# Altium PCB 202101904XB(公开).PcbDoc (part 1 of 6) (continued)
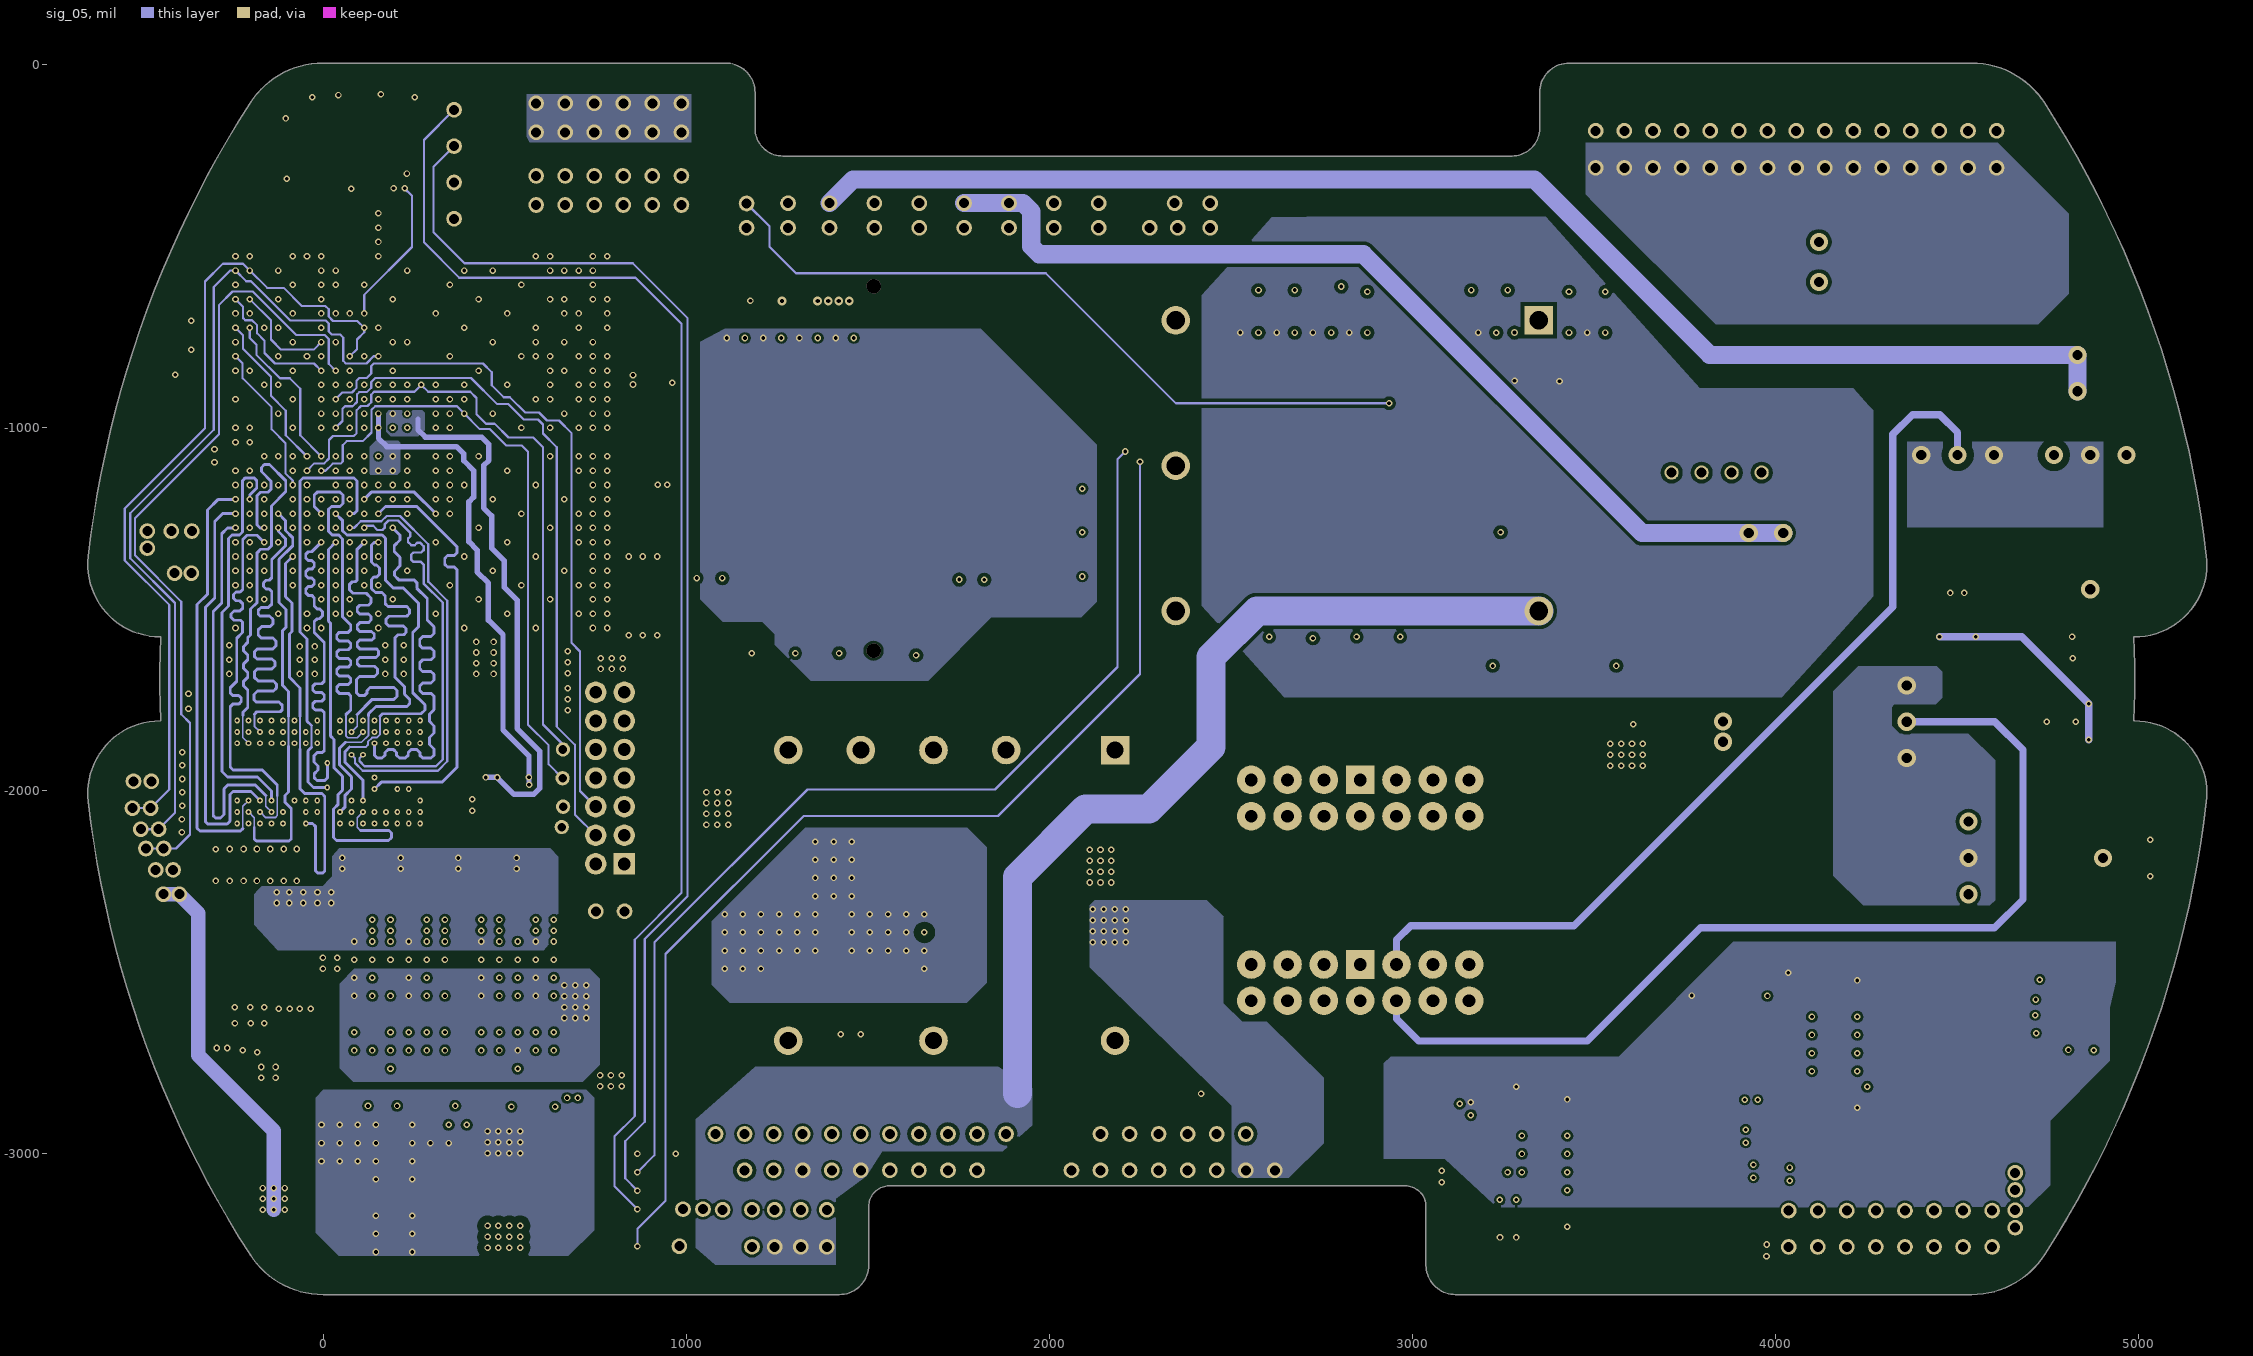
[diagram p5: sig_05]
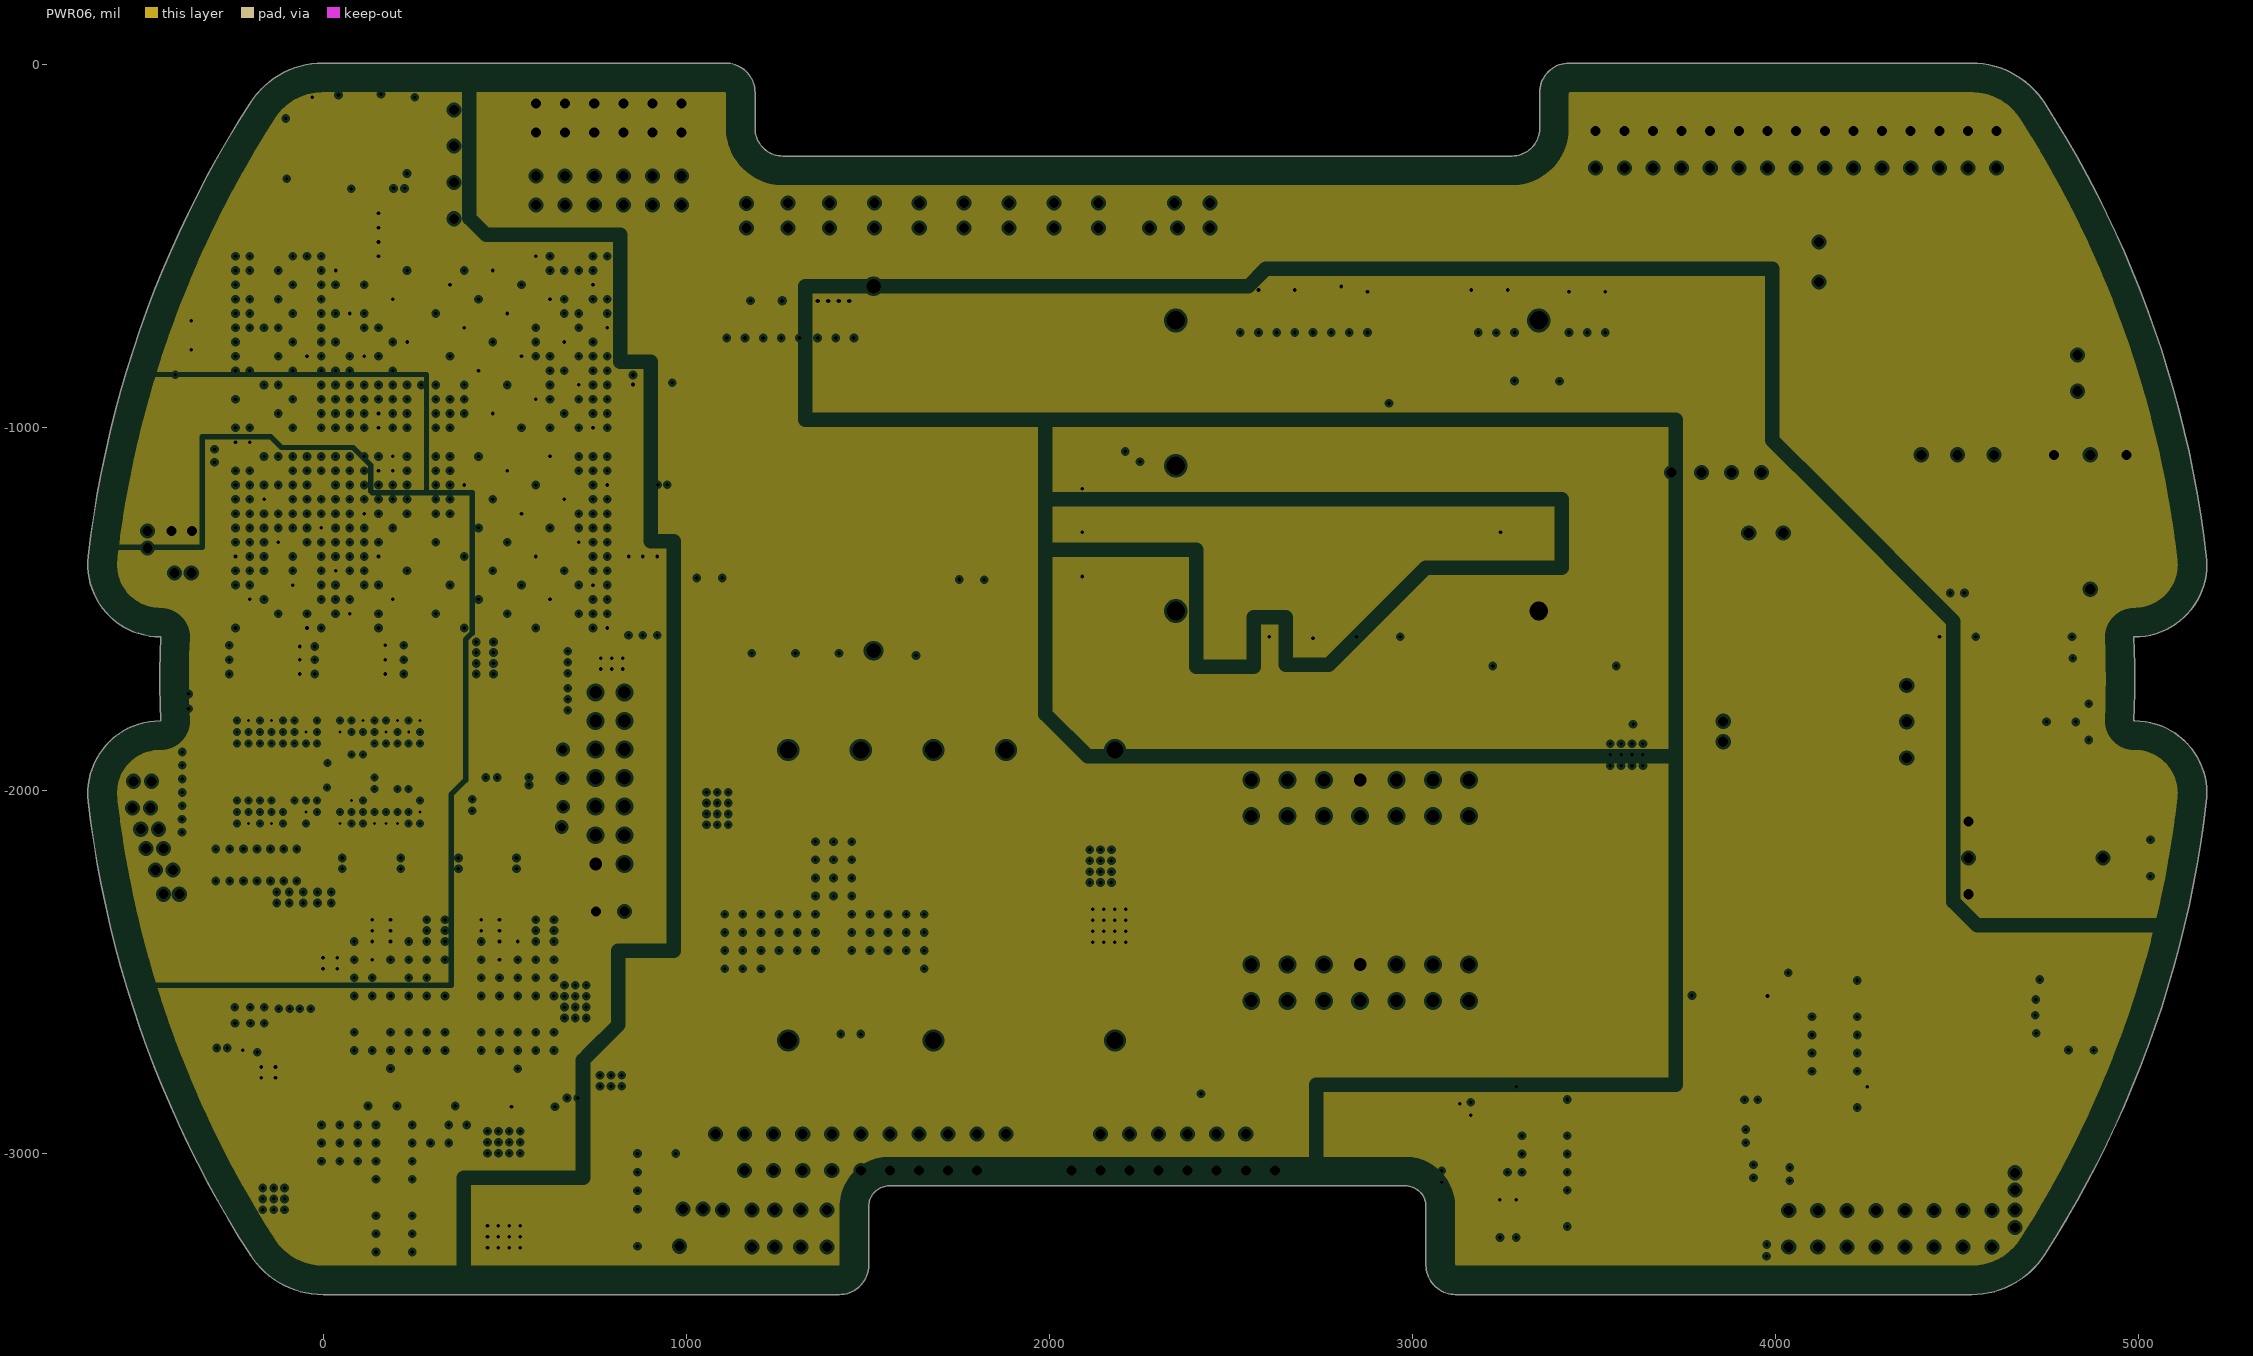
[diagram p6: PWR06, clearances drawn from the general rule]
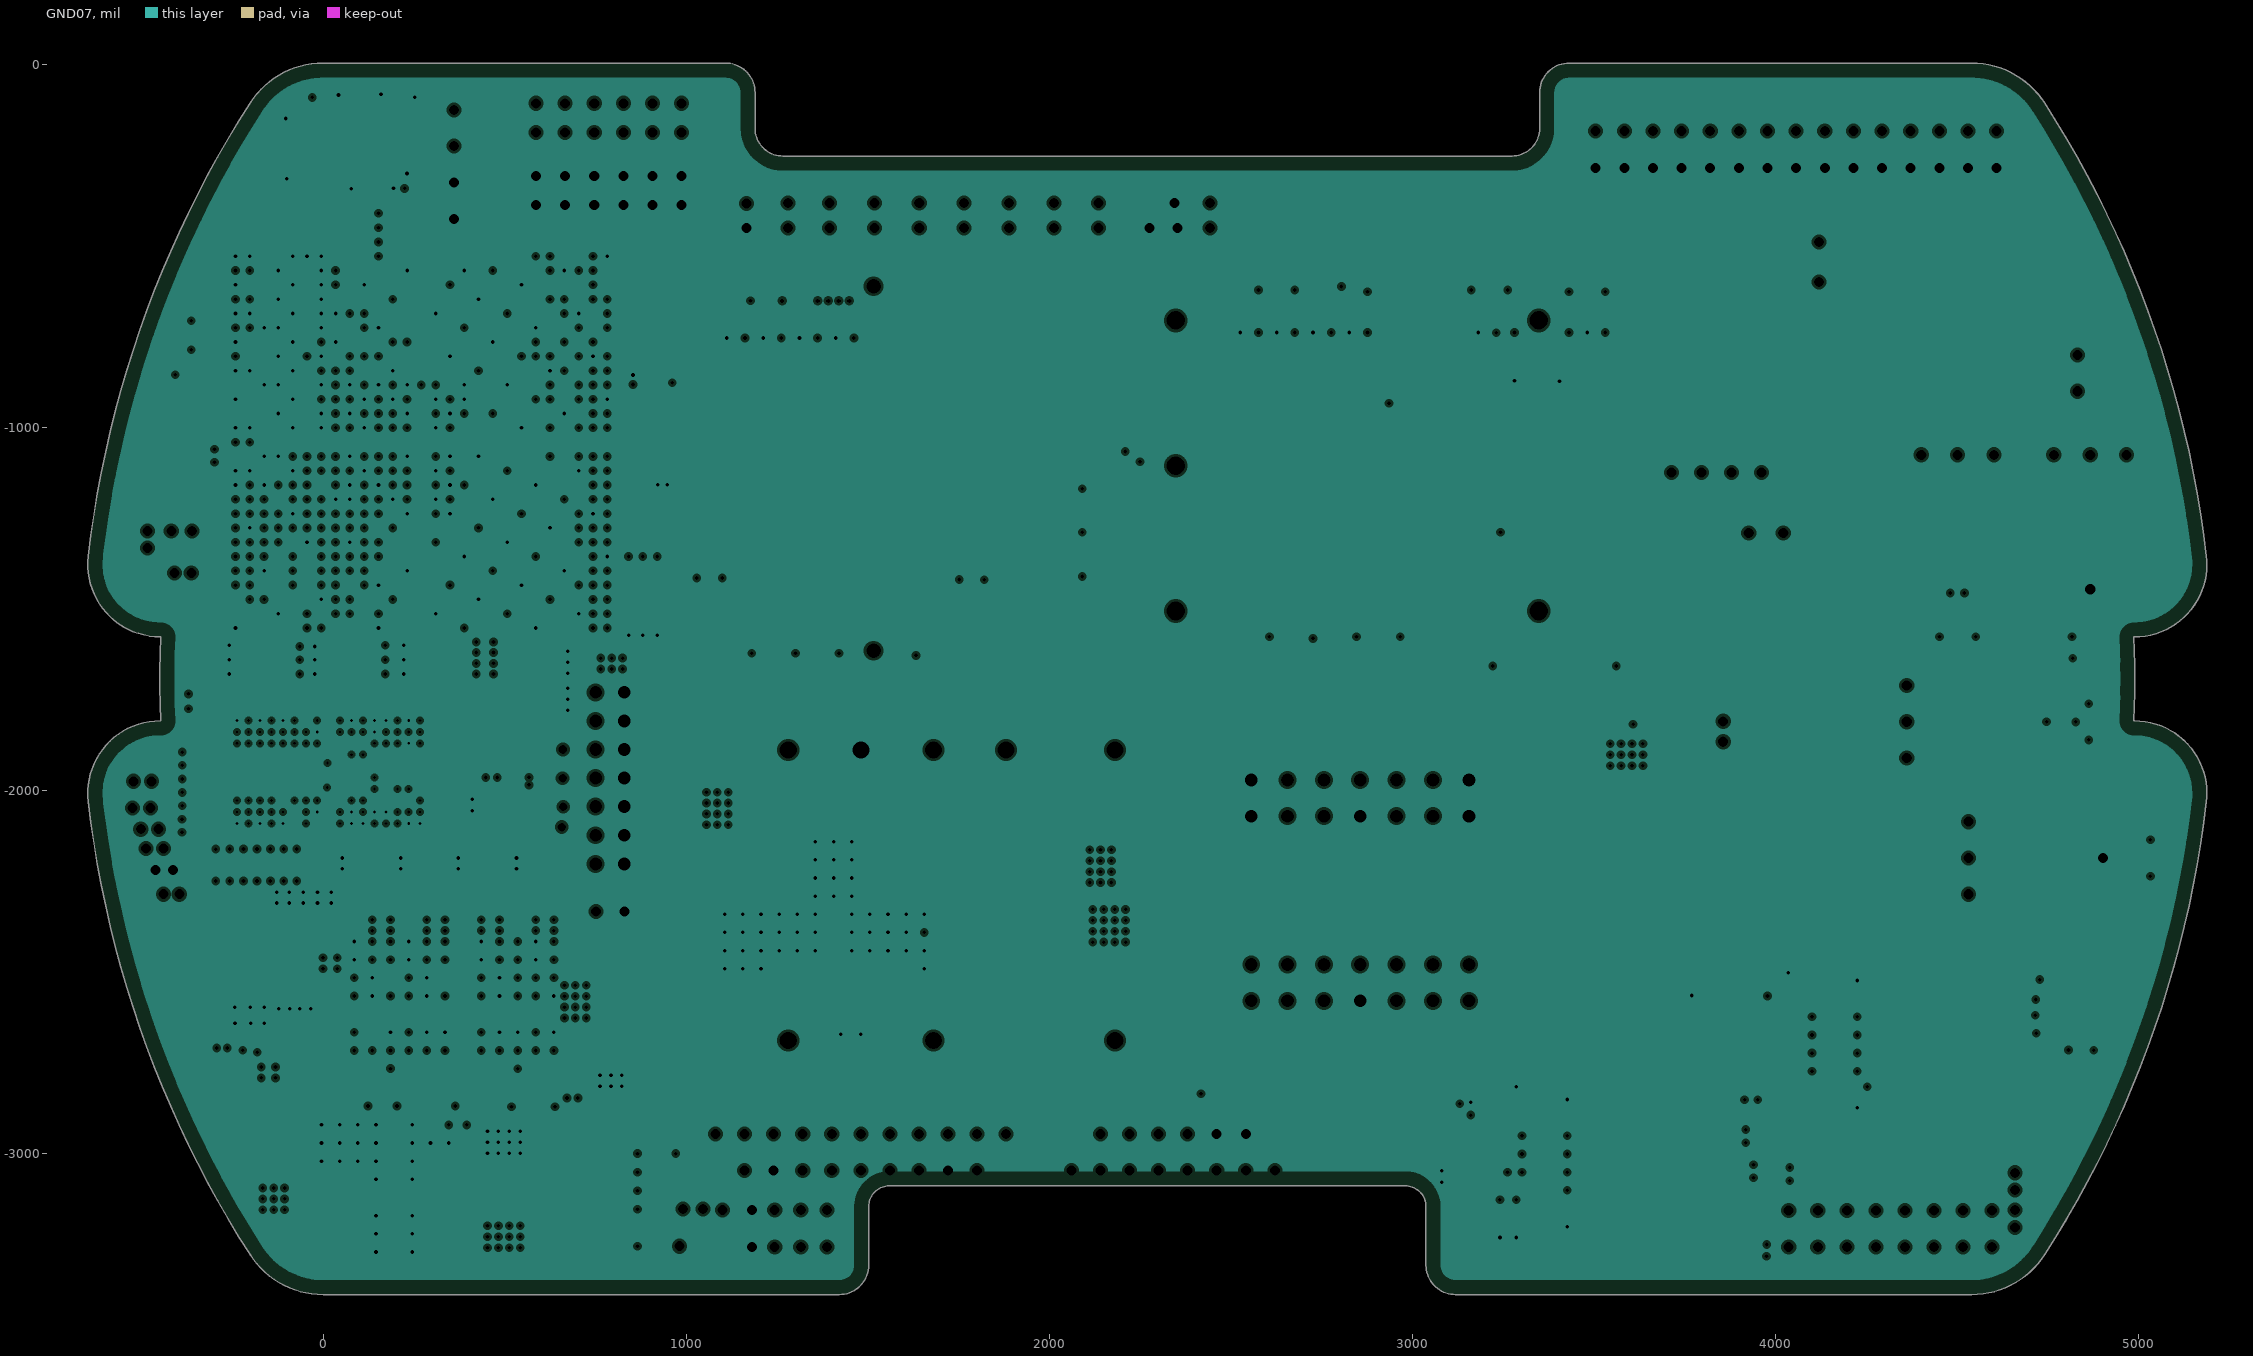
[diagram p7: GND07, clearances drawn from the general rule]
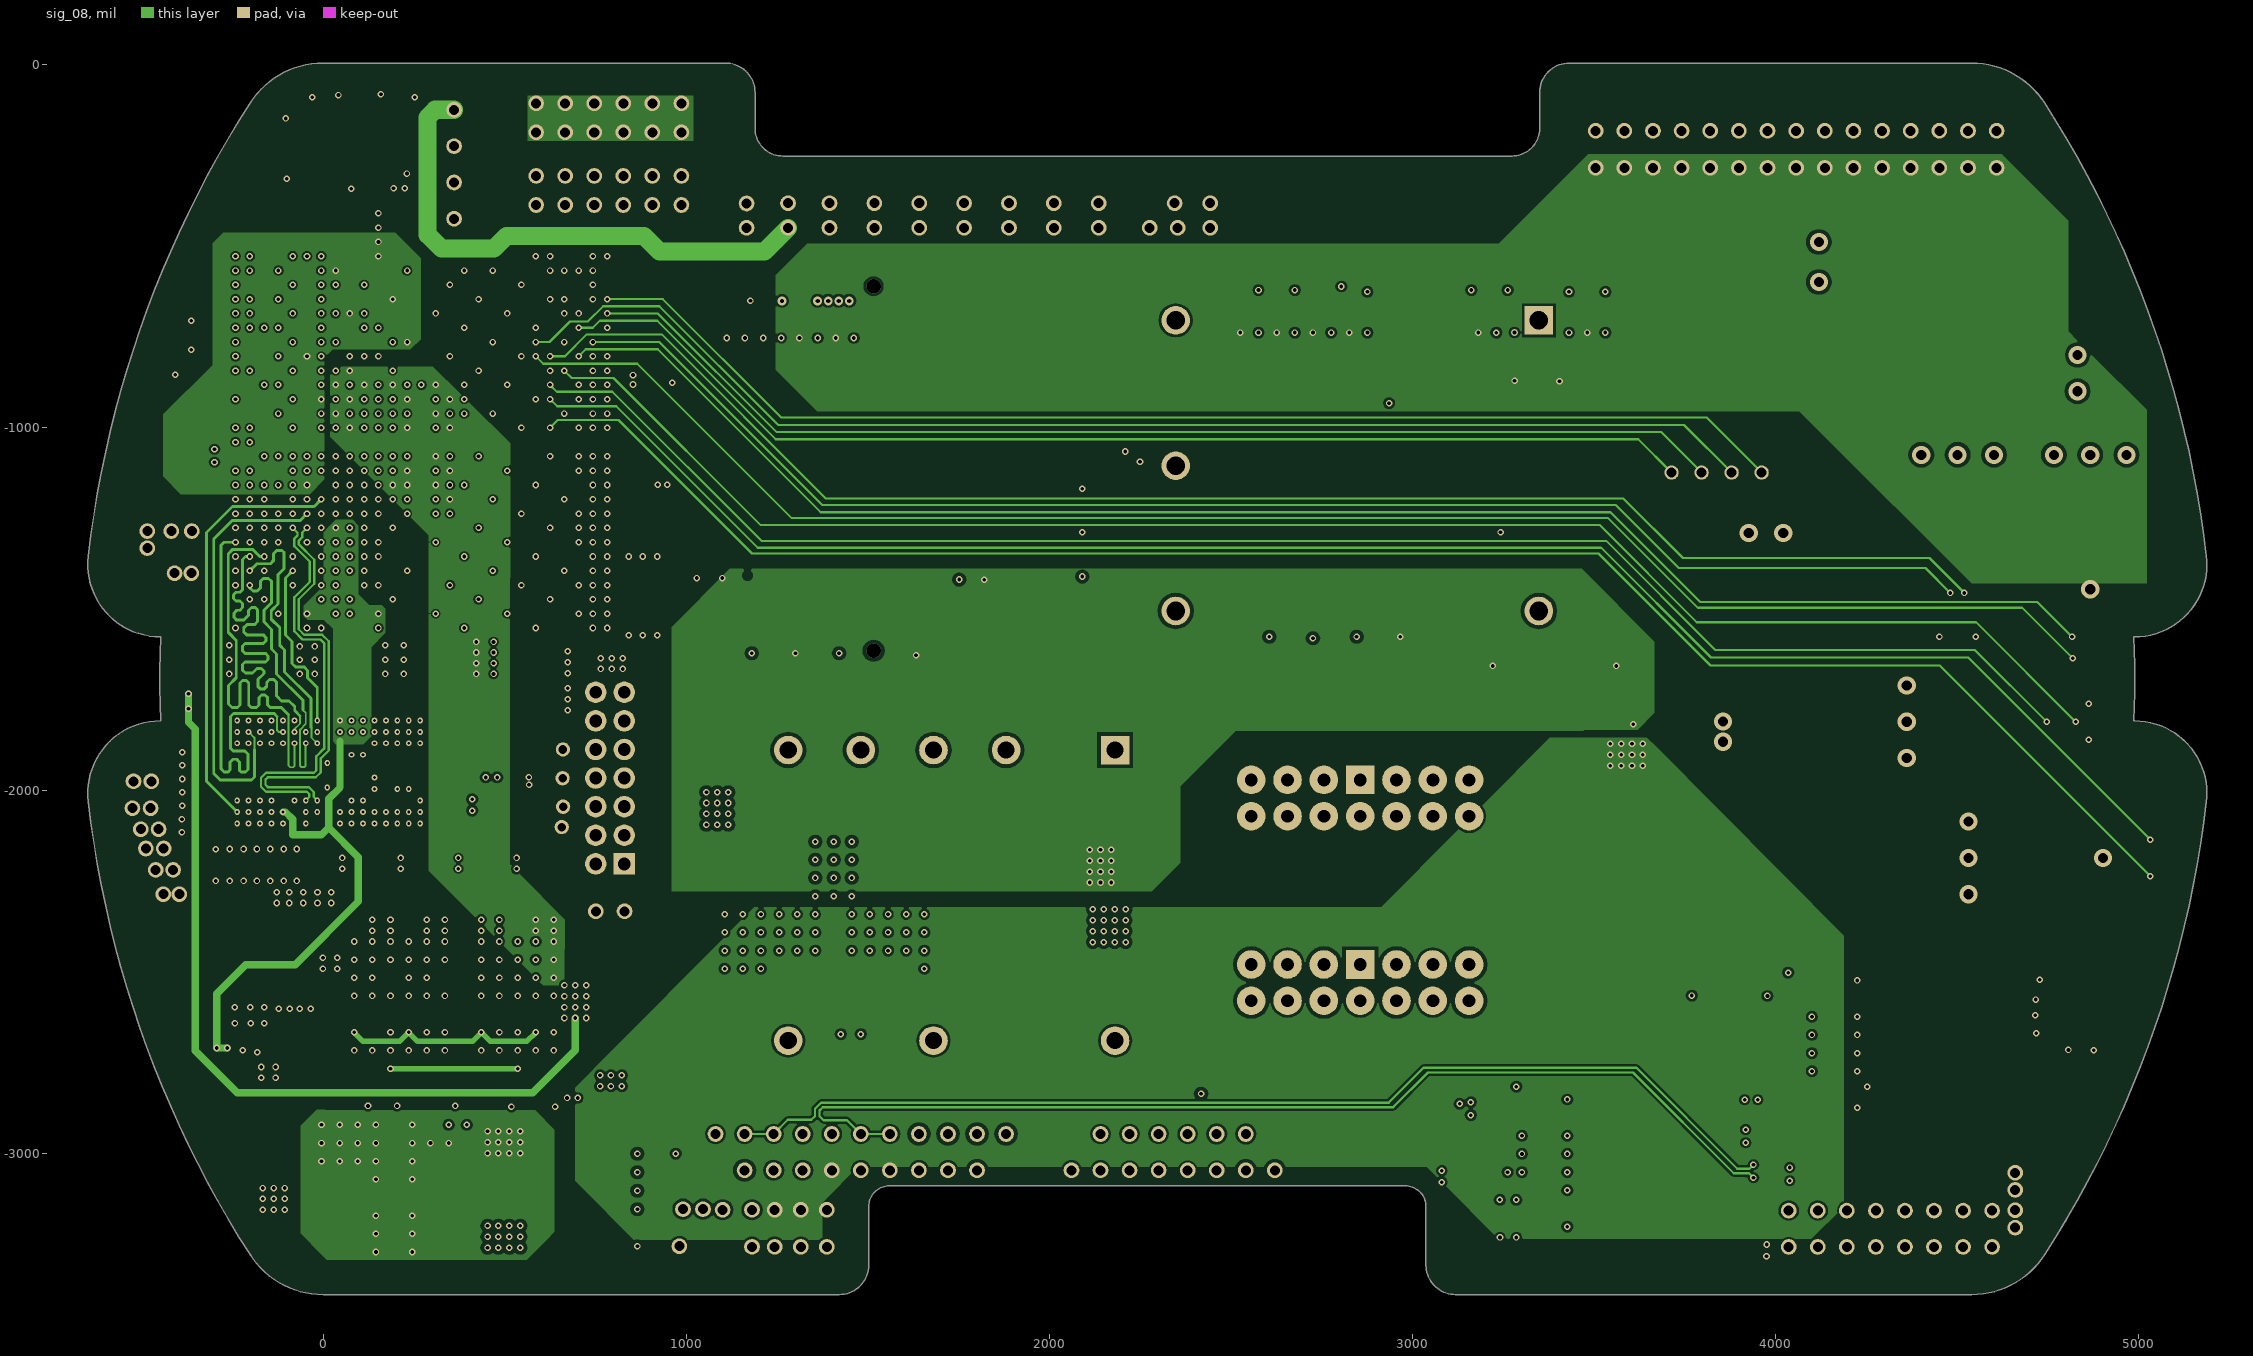
[diagram p8: sig_08]
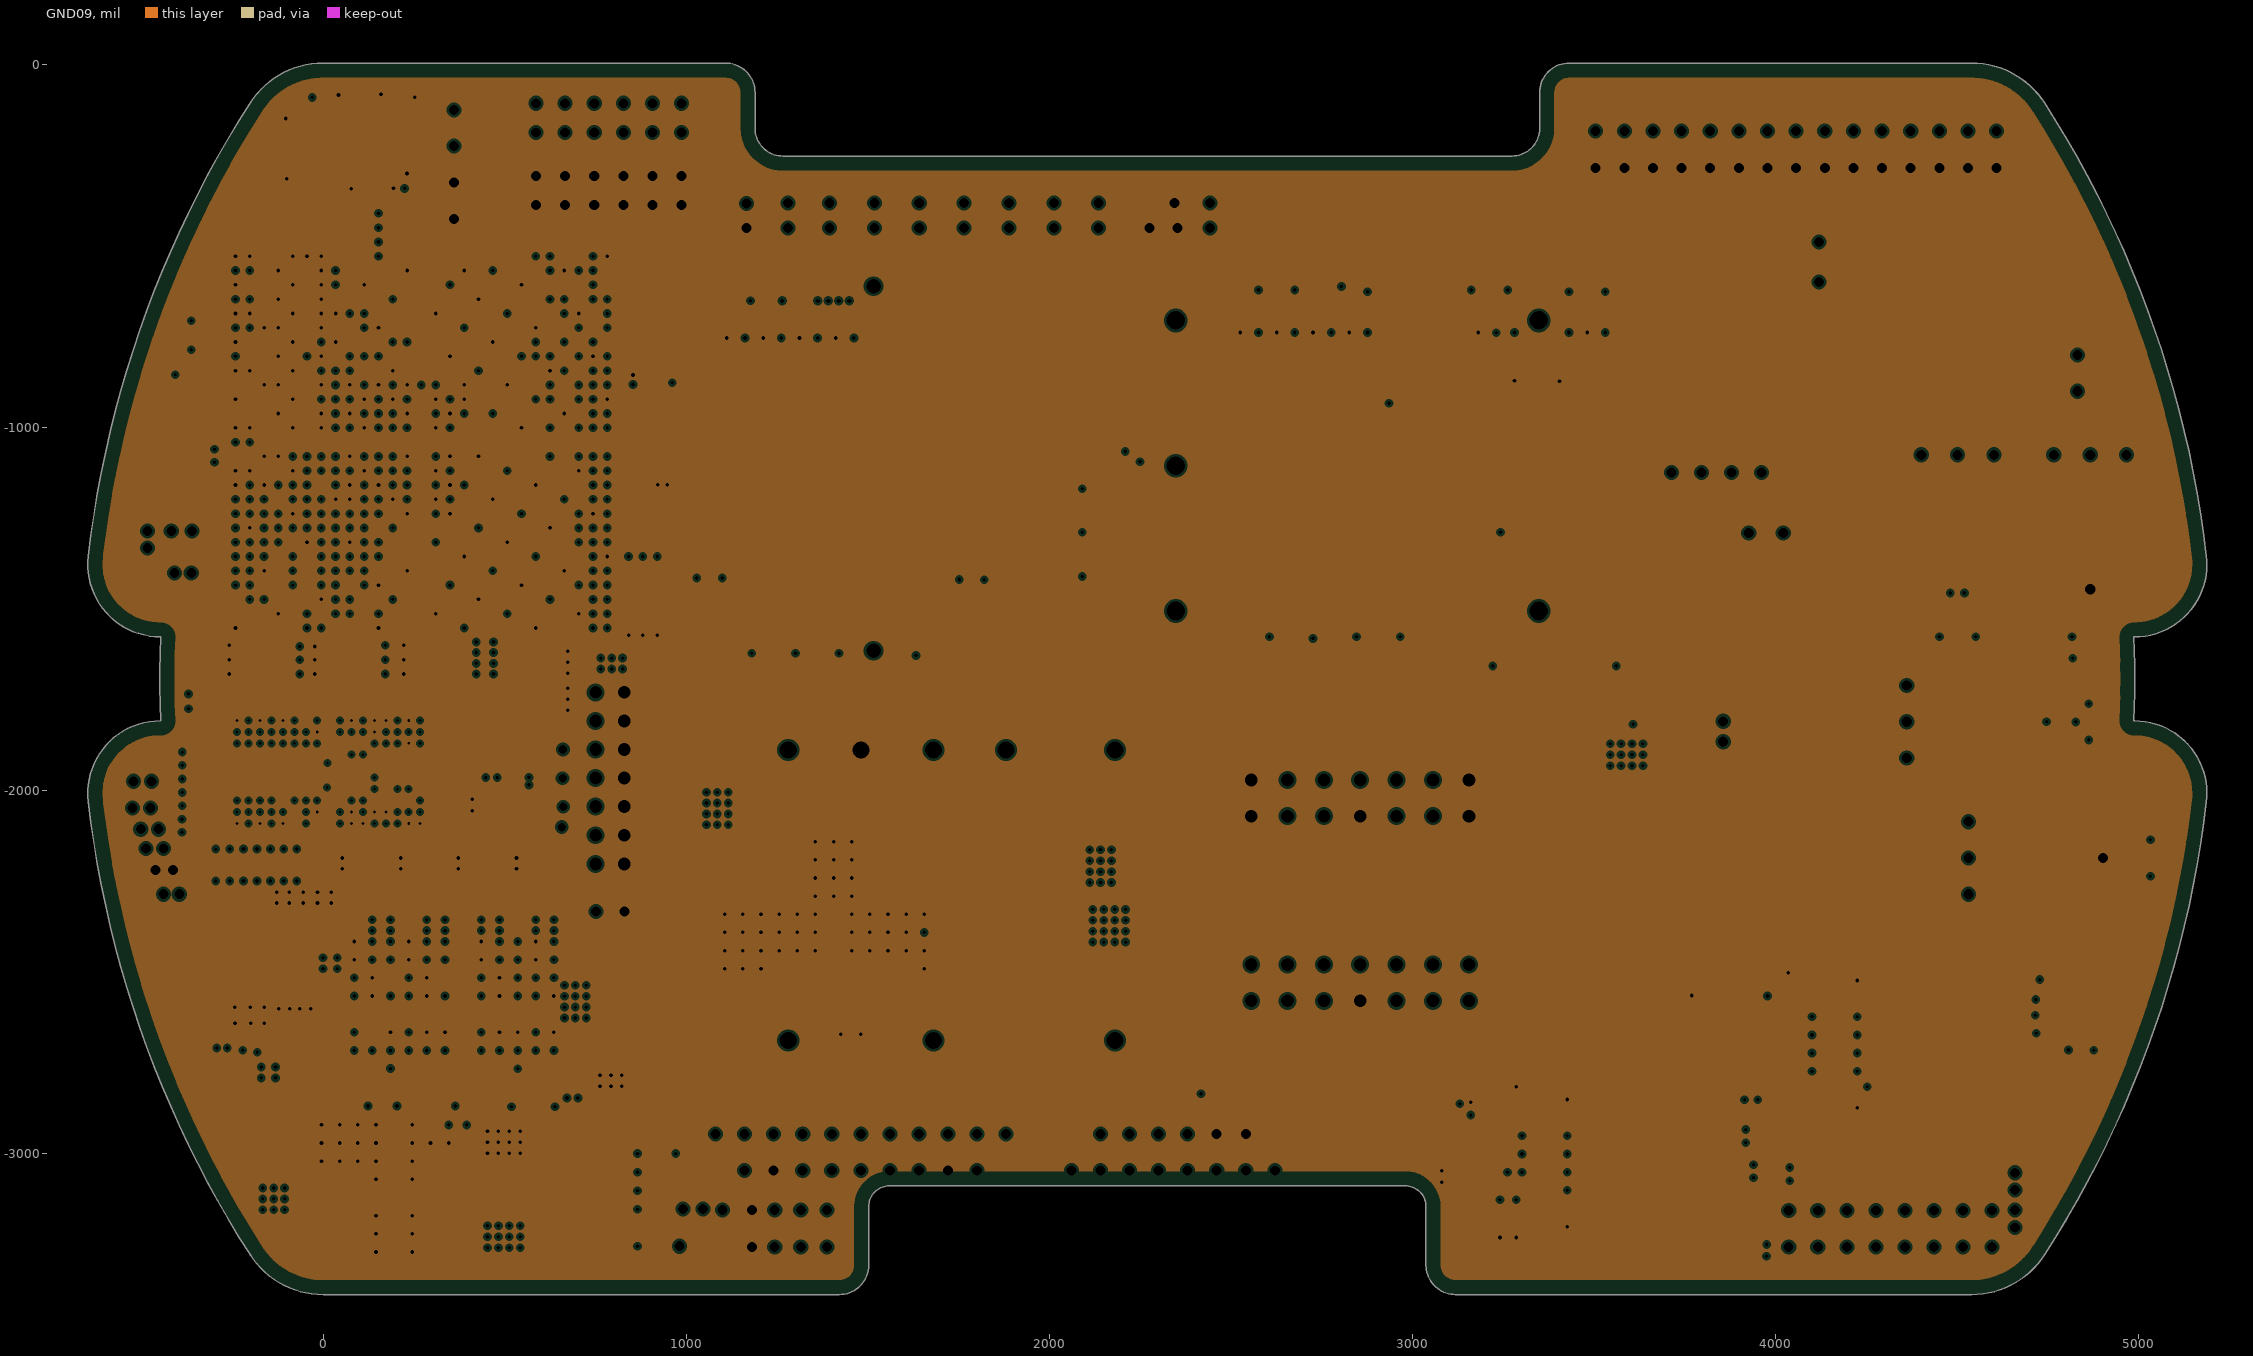
[diagram p9: GND09, clearances drawn from the general rule]

## Layer stack, top to bottom
Top: signal copper 1.4
Dielectric: core 12.6, FR-4, Dk 4.8
GND_02: plane copper 1.4, net GND
Dielectric: prepreg 12.6, FR-4, Dk 4.8
sig_03: signal copper 1.4
Dielectric: core 12.6, FR-4, Dk 4.8
GND04: plane copper 1.4, net GND
Dielectric: prepreg 12.6, FR-4, Dk 4.8
sig_05: signal copper 1.4
Dielectric: core 12.6, FR-4, Dk 4.8
PWR06: plane copper 1.4, net (Multiple Nets)
Dielectric: prepreg 12.6, FR-4, Dk 4.8
GND07: plane copper 1.4, net GND
Dielectric: core 12.6, FR-4, Dk 4.8
sig_08: signal copper 1.4
Dielectric: prepreg 12.6, FR-4, Dk 4.8
GND09: plane copper 1.4, net GND
Dielectric: core 12.6, FR-4, Dk 4.8
Bottom: signal copper 1.4

## Board outline
-200.91,-3278.56 ccw(c0,-3149.61) 0,-3388.34 1421.17,-3388.34 ccw(c1421.17,-3307.09) 1502.42,-3307.09 1502.42,-3145.67 ccw(c1499.91,-3145.67) 1502.42,-3145.59 cw(c1558.96,-3145.67) 1558.96,-3089.13 2980.22,-3089.13 cw(c2980.22,-3145.67) 3036.76,-3145.59 ccw(c3039.28,-3145.67) 3036.76,-3145.67 3036.76,-3307.09 ccw(c3118.02,-3307.09) 3118.02,-3388.34 4539.19,-3388.34 ccw(c4539.19,-3149.61) 4740.1,-3278.56 ccw(c2269.59,-1692.91) 5185.67,-2030.82 ccw(c4987.63,-2007.88) 5186.99,-2007.88 ccw(c4987.63,-2007.88) 4987.63,-1808.51 4986.19,-1808.51 ccw(c2269.59,-1692.91) 4988.65,-1692.91 ccw(c2269.59,-1692.91) 4986.19,-1577.32 4987.63,-1577.32 ccw(c4987.63,-1377.95) 5186.99,-1377.95 ccw(c4987.63,-1377.95) 5185.67,-1355.01 5185.67,-1355 ccw(c2269.59,-1692.91) 4740.1,-107.27 ccw(c4539.19,-236.22) 4539.19,2.51 3431.01,2.51 ccw(c3431.01,-78.74) 3349.76,-78.74 3349.76,-177.17 cw(c3273.53,-177.17) 3273.53,-253.39 1265.66,-253.39 cw(c1265.66,-177.17) 1189.43,-177.17 1189.43,-78.74 ccw(c1108.18,-78.74) 1108.18,2.51 0,2.51 ccw(c0,-236.22) -200.91,-107.27 ccw(c2269.59,-1692.91) -646.48,-1355 -646.48,-1355.01 ccw(c-448.44,-1377.95) -448.44,-1577.32 -447,-1577.32 ccw(c2269.59,-1692.91) -447,-1808.51 -448.44,-1808.51 ccw(c-448.44,-2007.88) -646.48,-2030.82 ccw(c2269.59,-1692.91)

## Design rules (kind name [scope] priority, off if disabled: settings)
Clearance DDR3 [WithinRoom('ddr')] p1: gap=4.5
Clearance BGA [WithinRoom('FPGA')] p2: gap=5
Clearance 28 [InNetClass('28V')] p3: gap=10
Clearance DIFF1 [InDifferentialPairClass('DIFF')] p4: gap=6
Clearance [All] p5: gap=7
ComponentClearance [All] p1: gap=0 collisioncheckmode=3 verticalgap=0 showdistances=FALSE
DiffPairsRouting [InDifferentialPairClass('DIFF')] p1: maxlimit=6 minlimit=6 mostfreqgap=6 maxuncoupledlength=500
FabricationTestPointUsage TestPointUsage [All] p1: valid=0 allowmultiple=FALSE
FabricationTestpoint Testpoint [All] p1: side=3 testpointundercomponent=TRUE minsize=40 maxsize=100 preferedsize=60 minholesize=0 maxholesize=40 preferedholesize=32 testpointgrid=1 allowsidetop=TRUE allowsidebottom=TRUE usegrid=TRUE gridtolerance=0.01
HoleSize [All] p1: absolutevalues=TRUE maxlimit=200 minlimit=1 maxpercent=80.000 minpercent=20.000
PlaneClearance 28n [InNetClass('28V')] p1: clearance=20
PlaneClearance [All] p2: clearance=7
PlaneConnect PlaneConnect_1 [IsThruPin] p1: planeconnectstyle=Relief reliefexpansion=10 reliefentries=4 reliefconductorwidth=15 reliefairgap=10
PlaneConnect [All] p2: planeconnectstyle=Direct reliefexpansion=20 reliefentries=4 reliefconductorwidth=20 reliefairgap=20
PolygonConnect [All] p1: connectstyle=Direct reliefconductorwidth=20 reliefentries=4 polygonreliefangle="45 Angle" airgapwidth=10
RoomDefinition ddr [InComponentClass('Components Class 2')] p1: confinementstyle=ConfineIn formatcopy=TRUE lockcomponents=FALSE outline -299.36,-1741 401.64,-1741 401.64,-2264 -299.36,-2264
RoomDefinition FPGA [InComponentClass('Components Class 1')] p2: confinementstyle=ConfineIn formatcopy=TRUE lockcomponents=FALSE outline -274.36,-483 856.64,-483 856.64,-1699 -274.36,-1699
RoutingVias [All] p1: holewidth=8 width=15 viastyle="Through Hole" minholewidth=8 minwidth=15 maxholewidth=200 maxwidth=400
SilkToSilkClearance [All] p1: silktosilkclearance=0.2
SilkToSolderMaskClearance SilkscreenOverComponentPads [IsPad] p1: minsilkscreentomaskgap=1 clearancetoexposedcopper=TRUE
SolderMaskExpansion [All] p1: expansion=2
Width diff [InDifferentialPairClass('DIFF')] p1: maxlimit=6.5 minlimit=6.5 preferedwidth=6.5
Width power [InNetClass('power')] p2: maxlimit=100 minlimit=8 preferedwidth=15
Width [All] p3: maxlimit=200 minlimit=4 preferedwidth=8 minimp=50.000000 maximp=50.000000 favimp=50.000000
19 further rules are at their usual default settings.
